# Altium PCB miniBackplane.PcbDoc (part 5 of 24)
Units mil, origin at the board's own origin, x right, y up, seen from the top; angles counter-clockwise.
Board outline 17285.63 x 8582.68 mil, 6 copper layers (Top Layer, Mid-Layer 1, GND, PWR, Mid-Layer 2, Bottom Layer), stack 62.362 mil thick; 519 components, 474 nets, 2434 pads, 1493 vias.
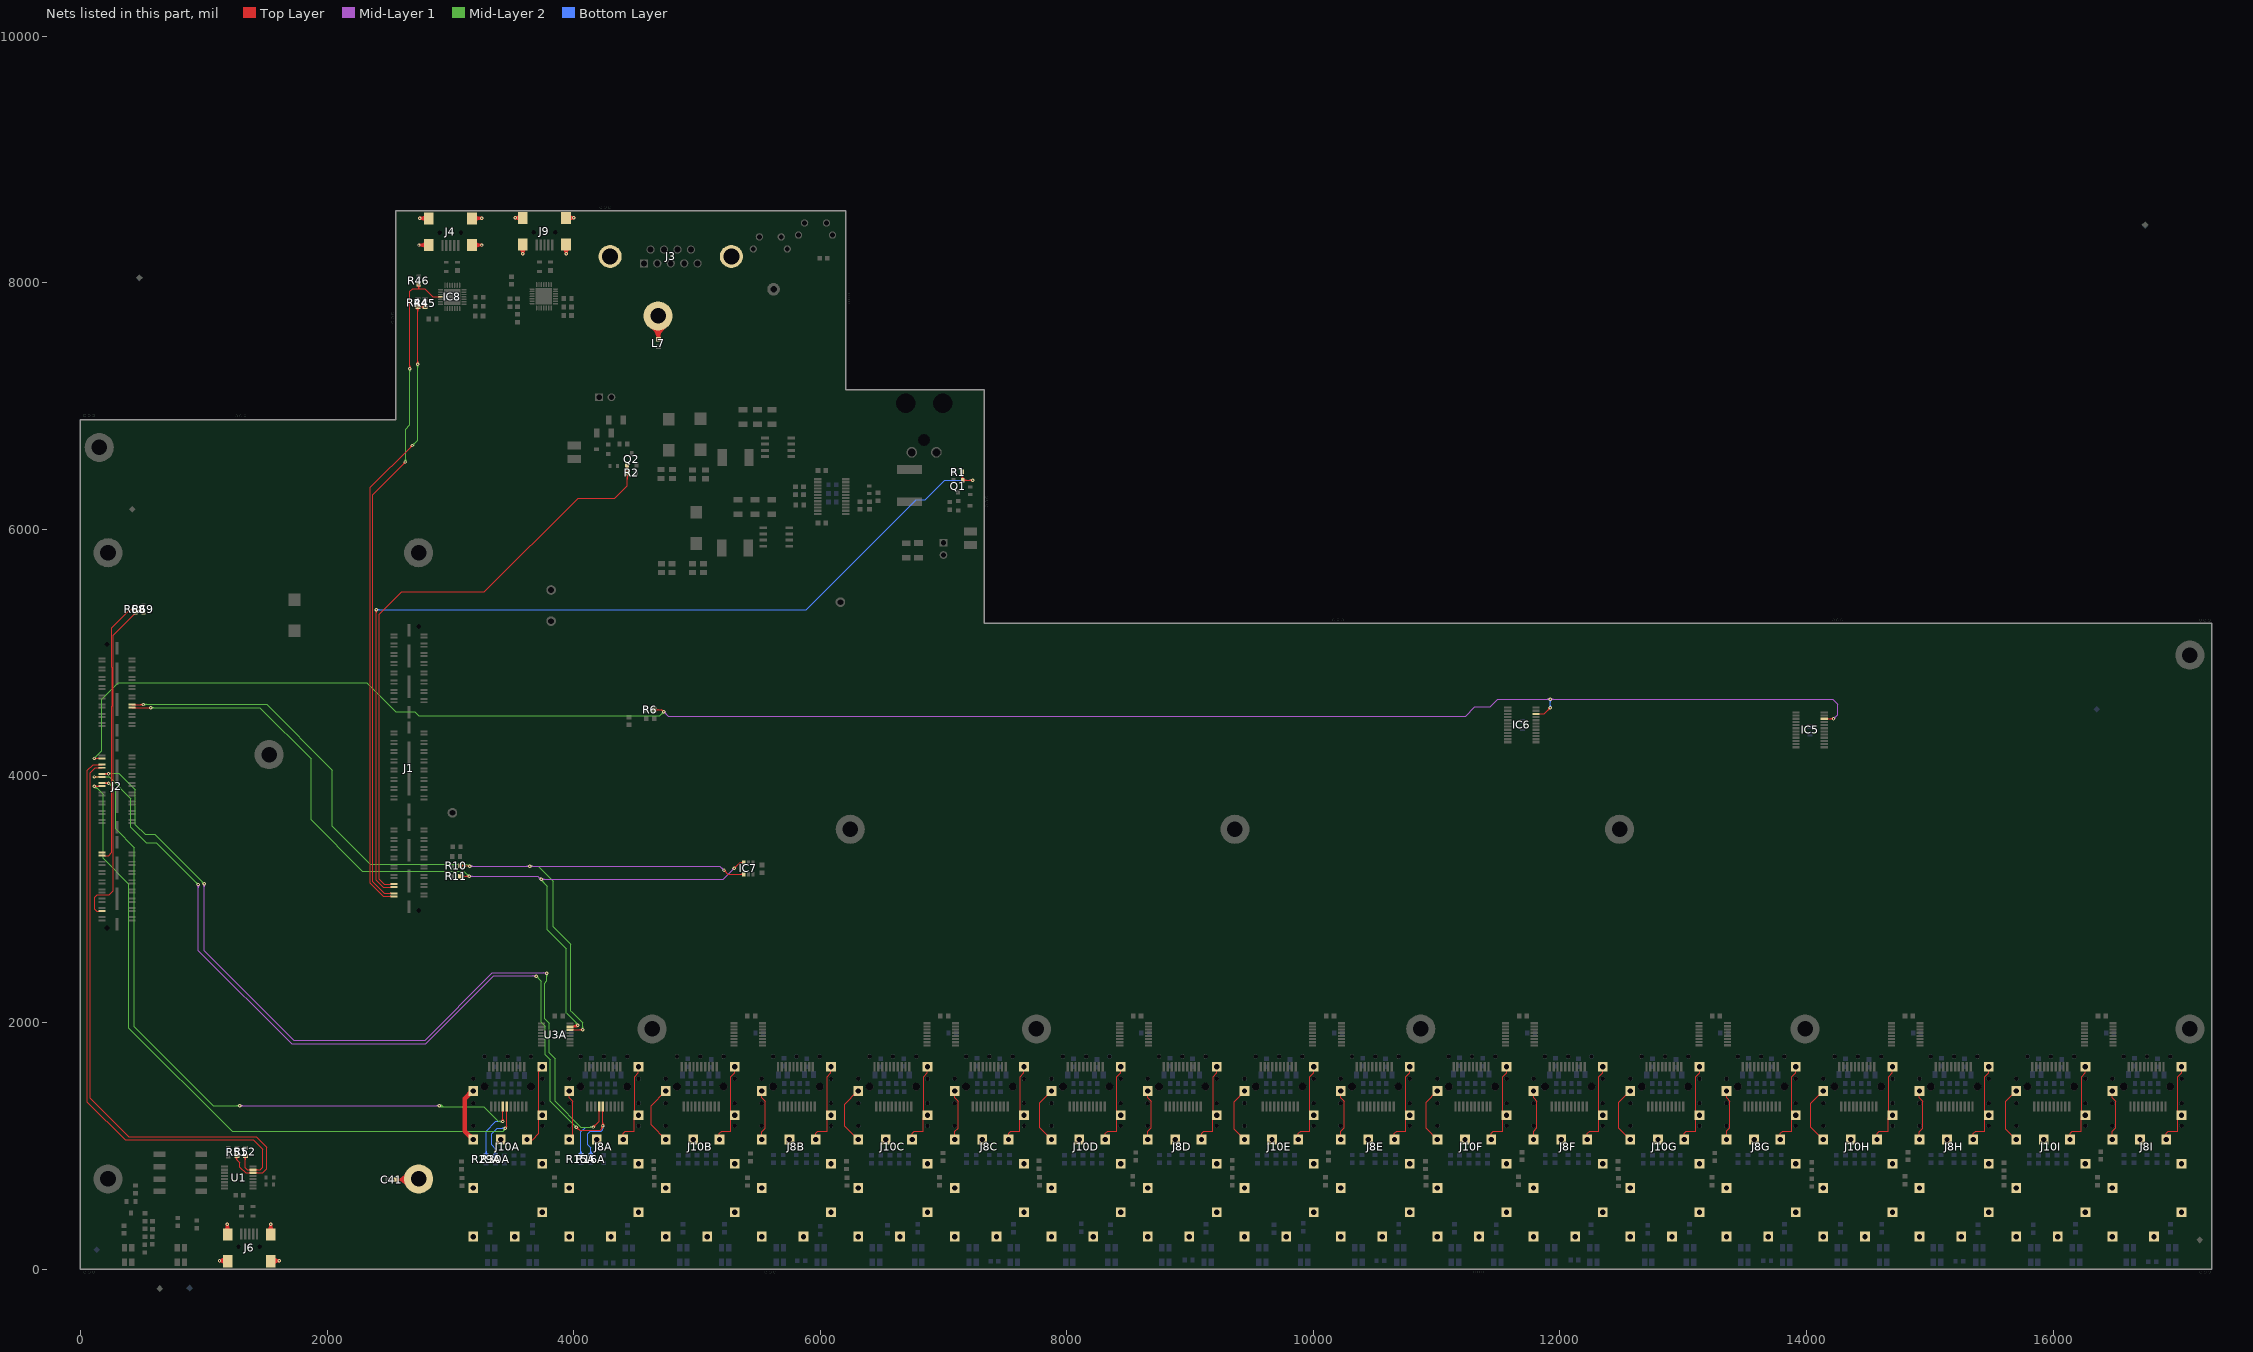
[diagram p9: the nets of this part, all layers, seen from the top]

## Via types
v1: diameter 27.56, hole 11.81, Top Layer to Bottom Layer, tented both sides, 1347 vias
v2: diameter 23.62, hole 11.81, Top Layer to Bottom Layer, tented both sides, 146 vias

## Nets (pads, with @x,y where several pads share a name; then routed paths per layer and width w, separated by ;. In a path a pad name is that pad's centre, name@x,y a point inside that pad or via, vN(x,y) a via of type N, cw(c..) or ccw(c..) an arc to the next point about the centre after c; other vN are vias at no path point) (continued)
ARM_3V3_GPIO_PB1: IC5.22 IC6.22 J2.61 R6.2 | length 16571.2
  Top Layer w7.87: v1(110.68,4141.29) J2.61@174.94,4141.29 ; R6.2@4653.54,4535.43 4716.54,4535.43 ; v1(4732.28,4519.68) 4716.54,4535.43 ; IC6.22@11805.75,4502.48 11872.56,4502.48 v1(11921.26,4551.18) ; 11905.78,4537.19 ccw(c11900.92,4555.35) v1@11919.33,4551.58 ; 11907.27,4535.7 cw(c11925.43,4530.84) v1@11921.65,4549.25 ; IC5.22@14143.27,4463.11 v1(14219.02,4463.11) ; 134.44,4141.29 ccw(c134.44,4117.53) 117.64,4134.33 cw(c134.44,4117.53) 134.44,4141.29 ; 134.44,4141.29 cw(c134.44,4165.05) 117.64,4148.25 ccw(c134.44,4165.05) 134.44,4141.29 ; 144.77,4141.29 ccw(c144.77,4150.8) 151.49,4144.08 cw(c144.77,4150.8) 144.77,4141.29 ; 144.77,4141.29 cw(c144.77,4131.79) 151.49,4138.51 ccw(c144.77,4131.79) 144.77,4141.29 ; 4686.81,4535.43 ccw(c4686.81,4502.17) 4663.29,4525.69 cw(c4686.81,4502.17) 4686.81,4535.43 ; 4686.81,4535.43 cw(c4686.81,4568.7) 4663.29,4545.18 ccw(c4686.81,4568.7) 4686.81,4535.43 ; 4716.54,4535.43 ccw(c4730.87,4549.77) 4731.82,4529.52 cw(c4730.87,4549.77) 4716.54,4535.43 ; 4716.54,4535.43 cw(c4702.2,4521.1) 4722.45,4520.15 ccw(c4702.2,4521.1) 4716.54,4535.43 ; 11838.3,4502.48 ccw(c11838.3,4490.6) 11829.9,4499 cw(c11838.3,4490.6) 11838.3,4502.48 ; 11838.3,4502.48 cw(c11838.3,4514.36) 11829.9,4505.96 ccw(c11838.3,4514.36) 11838.3,4502.48 ; 11904.46,4534.38 ccw(c11887.66,4551.18) 11911.42,4551.18 cw(c11887.66,4551.18) 11904.46,4534.38 ; 11904.46,4534.38 cw(c11921.26,4517.58) 11921.26,4541.34 ccw(c11921.26,4517.58) 11904.46,4534.38 ; 14175.82,4463.11 ccw(c14175.82,4451.23) 14167.42,4459.63 cw(c14175.82,4451.23) 14175.82,4463.11 ; 14175.82,4463.11 cw(c14175.82,4474.99) 14167.42,4466.59 ccw(c14175.82,4474.99) 14175.82,4463.11 ; 14195.25,4463.11 ccw(c14195.25,4486.87) 14212.06,4470.07 cw(c14195.25,4486.87) 14195.25,4463.11 ; 14195.25,4463.11 cw(c14195.25,4439.35) 14212.06,4456.15 ccw(c14195.25,4439.35) 14195.25,4463.11
  Mid-Layer 1 w7.09: v1(4732.28,4519.68) 4766.73,4485.24 11237.2,4485.24 11311.02,4559.06 11433.07,4559.06 11496.06,4622.05 v1(11921.26,4622.05) 14212.6,4622.05 14251.97,4582.68 14251.97,4496.06 v1(14219.02,4463.11) ; 4749.76,4502.21 ccw(c4732.28,4484.74) 4732.28,4509.45 cw(c4732.28,4484.74) 4749.76,4502.21 ; 4749.76,4502.21 cw(c4767.23,4519.68) 4742.52,4519.68 ccw(c4767.23,4519.68) 4749.76,4502.21 ; 11896.55,4622.05 ccw(c11896.55,4646.76) 11914.02,4629.29 cw(c11896.55,4646.76) 11896.55,4622.05 ; 11896.55,4622.05 cw(c11896.55,4597.33) 11914.02,4614.81 ccw(c11896.55,4597.33) 11896.55,4622.05 ; 11945.97,4622.05 ccw(c11945.97,4597.33) 11928.5,4614.81 cw(c11945.97,4597.33) 11945.97,4622.05 ; 11945.97,4622.05 cw(c11945.97,4646.76) 11928.5,4629.29 ccw(c11945.97,4646.76) 11945.97,4622.05 ; 14236.49,4480.58 ccw(c14253.96,4463.11) 14229.25,4463.11 cw(c14253.96,4463.11) 14236.49,4480.58 ; 14236.49,4480.58 cw(c14219.02,4498.06) 14219.02,4473.35 ccw(c14219.02,4498.06) 14236.49,4480.58
  Mid-Layer 2 w7.09: v1@110.48,4141.48 174,4205 174,4621 306.59,4753.59 2323.41,4753.59 2557.31,4519.68 2712.6,4519.68 2744.09,4488.19 4700.79,4488.19 v1(4732.28,4519.68) ; 4714.81,4502.21 ccw(c4697.33,4519.68) 4722.05,4519.68 cw(c4697.33,4519.68) 4714.81,4502.21 ; 4714.81,4502.21 cw(c4732.28,4484.74) 4732.28,4509.45 ccw(c4732.28,4484.74) 4714.81,4502.21 ; v1@110.68,4151.53 ccw(c110.68,4175.31) 127.49,4158.49 cw(c110.68,4175.31) v1@110.68,4151.53 ; v1@120.91,4141.29 cw(c146.56,4141.29) 128.42,4159.42 ccw(c146.56,4141.29) v1@120.91,4141.29
  Bottom Layer w7.87: v1(11921.26,4551.18) v1(11921.26,4622.05) ; 11921.26,4574.94 ccw(c11945.02,4574.94) 11928.22,4558.14 cw(c11945.02,4574.94) 11921.26,4574.94 ; 11921.26,4574.94 cw(c11897.5,4574.94) 11914.3,4558.14 ccw(c11897.5,4574.94) 11921.26,4574.94 ; 11921.26,4598.29 ccw(c11897.5,4598.29) 11914.3,4615.09 cw(c11897.5,4598.29) 11921.26,4598.29 ; 11921.26,4598.29 cw(c11945.02,4598.29) 11928.22,4615.09 ccw(c11945.02,4598.29) 11921.26,4598.29
ARM_3V3_GPIO_PB2: J2.51 J10A.4 R29A.1 | length 6903.6
  Top Layer w7.87: v1@3426.69,1198.98 J10A.4@3426.69,1318.39 ; 3426.69,1274.6 ccw(c3412.44,1274.6) 3422.52,1284.68 cw(c3412.44,1274.6) 3426.69,1274.6 ; 3426.69,1274.6 cw(c3440.95,1274.6) 3430.87,1284.68 ccw(c3440.95,1274.6) 3426.69,1274.6 ; v1@3417.71,1203.92 ccw(c3396.02,1225.61) 3426.69,1225.61 cw(c3396.02,1225.61) v1@3417.71,1203.92 ; 3426.69,1215.84 ccw(c3443.55,1215.84) 3431.63,1203.92 cw(c3443.55,1215.84) 3426.69,1215.84
  Top Layer w11.81: J2.51@174.94,3941.29 v1(228,3941.29) ; 208.99,3941.29 ccw(c208.99,3960.3) 222.43,3946.86 cw(c208.99,3960.3) 208.99,3941.29 ; 208.99,3941.29 cw(c208.99,3922.28) 222.43,3935.72 ccw(c208.99,3922.28) 208.99,3941.29
  Mid-Layer 1 w7.09: v1(1293.11,1325) v1@2911.42,1325 ; 1317.82,1325 ccw(c1317.82,1300.29) 1300.35,1317.76 cw(c1317.82,1300.29) 1317.82,1325 ; 1317.82,1325 cw(c1317.82,1349.71) 1300.35,1332.24 ccw(c1317.82,1349.71) 1317.82,1325 ; 2884.8,1325 ccw(c2884.8,1352.4) 2904.18,1333.03 cw(c2884.8,1352.4) 2884.8,1325 ; 2888.61,1325 cw(c2888.61,1302.98) 2904.18,1318.55 ccw(c2888.61,1302.98) 2888.61,1325
  Mid-Layer 2 w7.09: v1(228,3941.29) 285,3884.29 285,3570 437,3418 437,1965 1077,1325 v1(1293.11,1325) ; v1(2911.42,1325.79) 2920.79,1316.42 3270.58,1316.42 3390.04,1196.96 v1(3424.67,1196.96) ; v1@2913.64,1323.55 cw(c2923.86,1313.28) 2931.11,1325.83 ; v1@2917.77,1317.76 cw(c2924.47,1309.29) 2929.87,1318.65 ; v1@2918.64,1318.53 cw(c2930.63,1306.48) 2939.13,1321.2 ; v1@2921.3,1328.44 ccw(c2935.14,1332.14) 2927.98,1319.74 ; 245.47,3923.82 ccw(c228,3906.34) 228,3931.06 cw(c228,3906.34) 245.47,3923.82 ; 245.47,3923.82 cw(c262.95,3941.29) 238.24,3941.29 ccw(c262.95,3941.29) 245.47,3923.82 ; 1268.4,1325 ccw(c1268.4,1349.71) 1285.87,1332.24 cw(c1268.4,1349.71) 1268.4,1325 ; 1268.4,1325 cw(c1268.4,1300.29) 1285.87,1317.76 ccw(c1268.4,1300.29) 1268.4,1325 ; 3399.96,1196.96 ccw(c3399.96,1221.67) 3417.43,1204.2 cw(c3399.96,1221.67) 3399.96,1196.96 ; 3399.96,1196.96 cw(c3399.96,1172.25) 3417.43,1189.72 ccw(c3399.96,1172.25) 3399.96,1196.96 ; v1@2908.63,1323 ccw(c2924.53,1338.9) 2924.53,1316.42 cw(c2924.53,1338.9) v1@2908.63,1323 ; v1@2913.64,1328.01 ccw(c2941.64,1356.01) 2941.64,1316.42 cw(c2941.64,1356.01) v1@2913.64,1328.01 ; v1@2918.66,1333.03 ccw(c2958.75,1373.12) 2958.75,1316.42 cw(c2958.75,1373.12) v1@2918.66,1333.03
  Bottom Layer w7.87: R29A.1@3290.35,920.87 3290.35,1117.35 3369.96,1196.96 v1(3424.67,1196.96) ; 3290.35,954.13 ccw(c3323.62,954.13) 3300.1,930.61 cw(c3323.62,954.13) 3290.35,954.13 ; 3290.35,954.13 cw(c3257.09,954.13) 3280.61,930.61 ccw(c3257.09,954.13) 3290.35,954.13 ; 3400.91,1196.96 ccw(c3400.91,1220.72) 3417.71,1203.92 cw(c3400.91,1220.72) 3400.91,1196.96 ; 3400.91,1196.96 cw(c3400.91,1173.2) 3417.71,1190 ccw(c3400.91,1173.2) 3400.91,1196.96
ARM_3V3_GPIO_PB3: J2.49 J10A.5 R30A.1 | length 6717
  Top Layer w7.87: v1(110.68,3916.29) J2.49@174.94,3916.29 ; v1(3444.67,1141.96) 3458.19,1155.48 ; J10A.5@3458.19,1318.39 3458.19,1155.48 ; 134.44,3916.29 ccw(c134.44,3892.53) 117.64,3909.33 cw(c134.44,3892.53) 134.44,3916.29 ; 134.44,3916.29 cw(c134.44,3940.05) 117.64,3923.25 ccw(c134.44,3940.05) 134.44,3916.29 ; 144.77,3916.29 ccw(c144.77,3925.8) 151.49,3919.08 cw(c144.77,3925.8) 144.77,3916.29 ; 144.77,3916.29 cw(c144.77,3906.79) 151.49,3913.51 ccw(c144.77,3906.79) 144.77,3916.29 ; 3458.19,1155.48 ccw(c3467.84,1145.83) 3454.38,1143.58 cw(c3467.84,1145.83) 3458.19,1155.48 ; 3458.19,1155.48 cw(c3448.54,1165.13) 3446.29,1151.67 ccw(c3448.54,1165.13) 3458.19,1155.48 ; 3458.19,1274.6 ccw(c3443.93,1274.6) 3454.01,1284.68 cw(c3443.93,1274.6) 3458.19,1274.6 ; 3458.19,1274.6 cw(c3472.45,1274.6) 3462.36,1284.68 ccw(c3472.45,1274.6) 3458.19,1274.6
  Mid-Layer 2 w7.09: v1@107.17,3914.51 ccw(c126.66,3924.4) 121,3903.29 ; v1@113.49,3917.72 ccw(c145.69,3934.06) 136.34,3899.18 ; v1@115.8,3907.43 cw(c122.96,3895.02) 126.67,3908.86 ; v1@120.71,3916.29 185,3852 185,3331 393,3123 393,1955 1232,1116 3427.67,1116 ; 3434.1,1128.09 cw(c3458.32,1126.92) v1@3442.02,1144.88 ; v1@3444.67,1133 3427.67,1116 ; 3427.67,1116 ccw(c3409.36,1134.31) 3434.67,1139.79 cw(c3409.36,1134.31) 3427.67,1116 ; v1@110.68,3906.06 cw(c110.68,3857.12) 145.28,3891.72 ccw(c110.68,3857.12) v1@110.68,3906.06 ; v1@110.68,3913.14 cw(c110.68,3881.32) 133.18,3903.82 ccw(c110.68,3881.32) v1@110.68,3913.14 ; 3436.86,1125.19 ccw(c3424.46,1137.58) 3441.59,1141.29 cw(c3424.46,1137.58) 3436.86,1125.19
  Bottom Layer w7.87: R30A.1@3365.35,920.87 3365.35,976.28 3334.67,1006.96 3334.67,1096.96 3379.67,1141.96 v1(3444.67,1141.96) ; 3365.35,954.13 ccw(c3398.62,954.13) 3375.1,930.61 cw(c3398.62,954.13) 3365.35,954.13 ; 3365.35,954.13 cw(c3332.09,954.13) 3355.61,930.61 ccw(c3332.09,954.13) 3365.35,954.13 ; 3420.91,1141.96 ccw(c3420.91,1165.72) 3437.71,1148.92 cw(c3420.91,1165.72) 3420.91,1141.96 ; 3420.91,1141.96 cw(c3420.91,1118.2) 3437.71,1135 ccw(c3420.91,1118.2) 3420.91,1141.96
ARM_3V3_GPIO_PB4: J2.55 J8A.4 R15A.1 | length 8102.2
  Top Layer w7.87: v1@4159.27,1153.89 ccw(c4155.5,1172.3) 4173.66,1167.44 ; v1(4159.67,1151.96) 4206.69,1198.98 J8A.4@4206.69,1318.39 ; v1@4161.6,1151.57 cw(c4180.01,1147.79) 4175.15,1165.95 ; 4176.47,1168.76 ccw(c4193.27,1151.96) 4169.51,1151.96 cw(c4193.27,1151.96) 4176.47,1168.76 ; 4176.47,1168.76 cw(c4159.67,1185.57) 4159.67,1161.8 ccw(c4159.67,1185.57) 4176.47,1168.76 ; 4206.69,1274.6 ccw(c4192.44,1274.6) 4202.52,1284.68 cw(c4192.44,1274.6) 4206.69,1274.6 ; 4206.69,1274.6 cw(c4220.95,1274.6) 4210.87,1284.68 ccw(c4220.95,1274.6) 4206.69,1274.6
  Top Layer w11.81: J2.55@174.94,4016.29 v1(227.8,4016.29) ; 208.79,4016.29 ccw(c208.79,4035.3) 222.24,4021.86 cw(c208.79,4035.3) 208.79,4016.29 ; 208.79,4016.29 cw(c208.79,3997.28) 222.24,4010.72 ccw(c208.79,3997.28) 208.79,4016.29
  Mid-Layer 1 w7.09: v1(1003,3124) 1003,2582.63 1729.33,1856.3 2796.26,1856.3 3341.46,2401.5 3772.83,2401.5 v1@3779.13,2407.8 ; 1003,3099.29 ccw(c978.29,3099.29) 995.76,3116.76 cw(c978.29,3099.29) 1003,3099.29 ; 1003,3099.29 cw(c1027.71,3099.29) 1010.24,3116.76 ccw(c1027.71,3099.29) 1003,3099.29 ; 3754.56,2401.5 cw(c3754.56,2371.41) 3775.83,2392.68 ccw(c3754.56,2371.41) 3754.56,2401.5 ; 3762.16,2401.5 ccw(c3762.16,2420.83) 3775.83,2407.16 cw(c3762.16,2420.83) 3762.16,2401.5
  Mid-Layer 2 w7.09: v1@228.35,4019.68 312.31,4019.68 446,3886 446,3603 524,3525 604,3525 1003,3126 v1@1003,3113 ; 990.77,3131.46 ccw(c1006.17,3135.58) v1@1001.96,3120.2 ; v1@3783.07,2392.05 3783.07,2336.93 3765.72,2319.58 3765.72,2028.9 3800.72,1993.9 3800.72,1753.9 3850.72,1703.9 3850.72,1360.89 4059.65,1151.96 v1(4159.67,1151.96) ; 3783.07,2375.21 ccw(c3758.36,2375.21) 3775.83,2392.68 cw(c3758.36,2375.21) 3783.07,2375.21 ; 3783.07,2375.21 cw(c3807.78,2375.21) 3790.31,2392.68 ccw(c3807.78,2375.21) 3783.07,2375.21 ; 4134.96,1151.96 ccw(c4134.96,1176.67) 4152.43,1159.2 cw(c4134.96,1176.67) 4134.96,1151.96 ; 4134.96,1151.96 cw(c4134.96,1127.25) 4152.43,1144.72 ccw(c4134.96,1127.25) 4134.96,1151.96 ; v1@230.03,4014.06 cw(c243.6,4000.49) 243.6,4019.69 ccw(c243.6,4000.49) v1@230.03,4014.06 ; v1@235.04,4009.05 cw(c260.71,3983.39) 260.71,4019.68 ccw(c260.71,3983.39) v1@235.04,4009.05 ; v1@235.04,4023.53 ccw(c244.32,4032.81) 244.32,4019.68 cw(c244.32,4032.81) v1@235.04,4023.53 ; 984.11,3144.89 cw(c963.22,3124) 992.76,3124 ccw(c963.22,3124) 984.11,3144.89 ; 988.94,3140.06 ccw(c1003,3154.12) 1003,3134.24 cw(c1003,3154.12) 988.94,3140.06
  Bottom Layer w7.87: R15A.1@4059.67,916.96 R15A.1@4059.67,923.46 4059.67,1111.83 4099.8,1151.96 v1(4159.67,1151.96) ; 4059.67,956.72 ccw(c4092.94,956.72) 4069.41,933.2 cw(c4092.94,956.72) 4059.67,956.72 ; 4059.67,956.72 cw(c4026.4,956.72) 4049.93,933.2 ccw(c4026.4,956.72) 4059.67,956.72 ; 4135.91,1151.96 ccw(c4135.91,1175.72) 4152.71,1158.92 cw(c4135.91,1175.72) 4135.91,1151.96 ; 4135.91,1151.96 cw(c4135.91,1128.2) 4152.71,1145 ccw(c4135.91,1128.2) 4135.91,1151.96
  other v1: 3783.07,2399.92
ARM_3V3_GPIO_PB5: J2.53 J8A.5 R16A.1 | length 8619.5
  Top Layer w7.87: v1@103.2,3991.29 J2.53@174.94,3991.29 ; v1@4022.24,1147.68 cw(c4018.47,1129.26) 4036.63,1134.13 ; v1(4022.64,1149.61) 4048.35,1123.9 4215.72,1123.9 ; v1@4024.57,1150 ccw(c4042.98,1153.77) 4038.12,1135.62 ; 4225.43,1137.07 cw(c4262.38,1132.62) v1@4239.4,1161.89 ; v1@4230.45,1157.36 cw(c4216.86,1146.7) 4234.01,1144.64 ; J8A.5@4238.19,1318.39 v1(4238.19,1163.44) 4238.19,1146.36 ; 134.44,3991.29 ccw(c134.44,3967.53) 117.64,3984.33 cw(c134.44,3967.53) 134.44,3991.29 ; 134.44,3991.29 cw(c134.44,4015.05) 117.64,3998.25 ccw(c134.44,4015.05) 134.44,3991.29 ; 144.77,3991.29 ccw(c144.77,4000.8) 151.49,3994.08 cw(c144.77,4000.8) 144.77,3991.29 ; 144.77,3991.29 cw(c144.77,3981.79) 151.49,3988.51 ccw(c144.77,3981.79) 144.77,3991.29 ; 4039.44,1132.8 ccw(c4022.64,1116) 4022.64,1139.76 cw(c4022.64,1116) 4039.44,1132.8 ; 4039.44,1132.8 cw(c4056.24,1149.61) 4032.48,1149.61 ccw(c4056.24,1149.61) 4039.44,1132.8 ; 4215.73,1123.9 ccw(c4183.93,1155.7) 4228.45,1162.05 cw(c4183.93,1155.7) 4215.73,1123.9 ; 4215.72,1123.9 4238.19,1146.36 ; 4238.19,1146.36 ccw(c4228.29,1146.36) 4233.25,1154.92 cw(c4228.29,1146.36) 4238.19,1146.36 ; 4238.19,1146.36 cw(c4248.08,1146.36) 4243.12,1154.92 ccw(c4248.08,1146.36) 4238.19,1146.36 ; 4238.19,1187.2 ccw(c4261.95,1187.2) 4245.15,1170.4 cw(c4261.95,1187.2) 4238.19,1187.2 ; 4238.19,1187.2 cw(c4214.43,1187.2) 4231.23,1170.4 ccw(c4214.43,1187.2) 4238.19,1187.2 ; 4238.19,1274.6 ccw(c4223.93,1274.6) 4234.01,1284.68 cw(c4223.93,1274.6) 4238.19,1274.6 ; 4238.19,1274.6 cw(c4252.45,1274.6) 4242.36,1284.68 ccw(c4252.45,1274.6) 4238.19,1274.6 ; 4226.86,1135.04 ccw(c4203.42,1158.48) 4236.24,1163.16 cw(c4203.42,1158.48) 4226.86,1135.04 ; 4238,1146.17 ccw(c4222.91,1161.26) 4244.04,1164.28 cw(c4222.91,1161.26) 4238,1146.17
  Mid-Layer 1 w7.09: v1(956,3119) 956,2582.39 1712.6,1825.79 2799.21,1825.79 3351.38,2377.95 3690.63,2377.95 v1@3696.85,2384.17 ; 956,3094.29 ccw(c931.29,3094.29) 948.76,3111.76 cw(c931.29,3094.29) 956,3094.29 ; 956,3094.29 cw(c980.71,3094.29) 963.24,3111.76 ccw(c980.71,3094.29) 956,3094.29 ; 3667.2,2377.95 cw(c3667.2,2346.25) 3689.61,2368.67 ccw(c3667.2,2346.25) 3667.2,2377.95 ; 3677.08,2377.95 ccw(c3677.08,2395.68) 3689.61,2383.14 cw(c3677.08,2395.68) 3677.08,2377.95
  Mid-Layer 2 w7.09: v1@103.2,3991.29 231.71,3991.29 410,3813 410,3583 534,3459 616,3459 v1(956,3119) ; v1(3696.85,2375.91) 3739.25,2333.5 3739.25,2000.37 3770.72,1968.9 3770.72,1738.9 3810.72,1698.9 3810.72,1361.52 v1(4022.64,1149.61) ; 135.39,3991.29 ccw(c135.39,3966.58) 117.92,3984.05 cw(c135.39,3966.58) 135.39,3991.29 ; 135.39,3991.29 cw(c135.39,4016) 117.92,3998.53 ccw(c135.39,4016) 135.39,3991.29 ; 938.53,3136.47 ccw(c956,3153.95) 956,3129.24 cw(c956,3153.95) 938.53,3136.47 ; 938.53,3136.47 cw(c921.05,3119) 945.76,3119 ccw(c921.05,3119) 938.53,3136.47 ; 3714.32,2358.43 ccw(c3696.85,2340.96) 3696.85,2365.67 cw(c3696.85,2340.96) 3714.32,2358.43 ; 3714.32,2358.43 cw(c3731.8,2375.91) 3707.09,2375.91 ccw(c3731.8,2375.91) 3714.32,2358.43 ; 4005.16,1167.08 ccw(c4022.64,1184.55) 4022.64,1159.84 cw(c4022.64,1184.55) 4005.16,1167.08 ; 4005.16,1167.08 cw(c3987.69,1149.61) 4012.4,1149.61 ccw(c3987.69,1149.61) 4005.16,1167.08
  Bottom Layer w7.87: R16A.1@4139.67,923.46 4139.67,981.96 4114.67,1006.96 4114.67,1096.96 4134.67,1116.96 4224.67,1116.96 4238.19,1130.48 v1(4238.19,1163.44) ; 4139.67,956.72 ccw(c4172.94,956.72) 4149.41,933.2 cw(c4172.94,956.72) 4139.67,956.72 ; 4139.67,956.72 cw(c4106.4,956.72) 4129.93,933.2 ccw(c4106.4,956.72) 4139.67,956.72 ; 4238.19,1139.68 ccw(c4214.43,1139.68) 4231.23,1156.48 cw(c4214.43,1139.68) 4238.19,1139.68 ; 4238.19,1139.68 cw(c4261.95,1139.68) 4245.15,1156.48 ccw(c4261.95,1139.68) 4238.19,1139.68
  other v1: 110.68,3991.29
ARM_3V3_GPIO_PB6: J2.59 R52.1 U1.15 | length 5016.1
  Top Layer w7.87: J2.59@174.94,4091.29 102.29,4091.29 57,4046 57,1352 362,1047 1401,1047 1477,971 1477,824 1458.98,805.98 U1.15@1401.14,805.98 1352.02,805.98 1337,821 1337,917.5 R52.1@1338,918.5 ; 144.77,4091.29 ccw(c144.77,4100.8) 151.49,4094.08 cw(c144.77,4100.8) 144.77,4091.29 ; 144.77,4091.29 cw(c144.77,4081.79) 151.49,4088.51 ccw(c144.77,4081.79) 144.77,4091.29 ; 1369.58,805.98 ccw(c1369.58,817.86) 1377.98,809.46 cw(c1369.58,817.86) 1369.58,805.98 ; 1369.58,805.98 cw(c1369.58,794.1) 1377.98,802.5 ccw(c1369.58,794.1) 1369.58,805.98 ; 1432.71,805.98 ccw(c1432.71,794.1) 1424.31,802.5 cw(c1432.71,794.1) 1432.71,805.98 ; 1432.71,805.98 cw(c1432.71,817.86) 1424.31,809.46 ccw(c1432.71,817.86) 1432.71,805.98 ; R52.1@1326.29,908.76 cw(c1300.43,882.9) 1337,882.9 ccw(c1300.43,882.9) R52.1@1326.29,908.76 ; 1337,887.58 cw(c1366.96,887.58) 1345.78,908.76 ccw(c1366.96,887.58) 1337,887.58
ARM_3V3_GPIO_PB7: J2.57 R51.1 U1.14 | length 5066.4
  Top Layer w7.87: J2.57@174.94,4066.29 120.29,4066.29 79,4025 79,1384 390,1073 1426,1073 1513,986 1513,813 1480.39,780.39 U1.14@1401.14,780.39 1340.61,780.39 1294,827 1294,862 1268,888 1266,888 1266,912.5 R51.1@1271,917.5 ; 144.77,4066.29 ccw(c144.77,4075.8) 151.49,4069.08 cw(c144.77,4075.8) 144.77,4066.29 ; 144.77,4066.29 cw(c144.77,4056.79) 151.49,4063.51 ccw(c144.77,4056.79) 144.77,4066.29 ; 1369.58,780.39 ccw(c1369.58,792.27) 1377.98,783.87 cw(c1369.58,792.27) 1369.58,780.39 ; 1369.58,780.39 cw(c1369.58,768.5) 1377.98,776.91 ccw(c1369.58,768.5) 1369.58,780.39 ; 1432.71,780.39 ccw(c1432.71,768.5) 1424.31,776.91 cw(c1432.71,768.5) 1432.71,780.39 ; 1432.71,780.39 cw(c1432.71,792.27) 1424.31,783.87 ccw(c1432.71,792.27) 1432.71,780.39 ; R51.1@1259.29,907.76 cw(c1243.08,891.56) 1266,891.56 ccw(c1243.08,891.56) R51.1@1259.29,907.76 ; 1266,887.85 cw(c1286.79,887.85) 1276.11,905.68 ccw(c1286.79,887.85) 1266,887.85
ARM_DEBUG_RXD: J1.96 R44.1 R45.2 | length 5816.5
  Top Layer w7.87: J1.96@2543.05,3022.49 2457.51,3022.49 2352,3128 2352,6340 v1(2691.56,6679.56) ; 2676.09,6665.57 ccw(c2671.22,6683.73) v1@2689.64,6679.96 ; 2677.57,6664.09 cw(c2695.73,6659.22) v1@2691.96,6677.64 ; v1(2735,7339) R44.1@2735,7801.5 ; R44.1@2735,7803.5 R45.2@2795,7803.5 ; 2512.88,3022.49 ccw(c2512.88,3032) 2519.6,3025.28 cw(c2512.88,3032) 2512.88,3022.49 ; 2512.88,3022.49 cw(c2512.88,3012.99) 2519.6,3019.71 ccw(c2512.88,3012.99) 2512.88,3022.49 ; 2674.76,6662.76 ccw(c2657.96,6679.56) 2681.72,6679.56 cw(c2657.96,6679.56) 2674.76,6662.76 ; 2674.76,6662.76 cw(c2691.56,6645.96) 2691.56,6669.72 ccw(c2691.56,6645.96) 2674.76,6662.76 ; 2735,7362.76 ccw(c2758.76,7362.76) 2741.96,7345.96 cw(c2758.76,7362.76) 2735,7362.76 ; 2735,7362.76 cw(c2711.24,7362.76) 2728.04,7345.96 ccw(c2711.24,7362.76) 2735,7362.76 ; 2735,7770.24 ccw(c2701.73,7770.24) 2725.26,7793.76 cw(c2701.73,7770.24) 2735,7770.24 ; 2735,7770.24 cw(c2768.27,7770.24) 2744.74,7793.76 ccw(c2768.27,7770.24) 2735,7770.24 ; 2759.76,7803.5 ccw(c2759.76,7836.77) 2783.29,7813.25 cw(c2759.76,7836.77) 2759.76,7803.5 ; 2759.76,7803.5 cw(c2759.76,7770.24) 2783.29,7793.76 ccw(c2759.76,7770.24) 2759.76,7803.5 ; 2770.24,7803.5 ccw(c2770.24,7770.24) 2746.71,7793.76 cw(c2770.24,7770.24) 2770.24,7803.5 ; 2770.24,7803.5 cw(c2770.24,7836.77) 2746.71,7813.25 ccw(c2770.24,7836.77) 2770.24,7803.5